# Altium PCB PCB-Tester-Board-V1.PcbDoc (part 1 of 3) (continued)
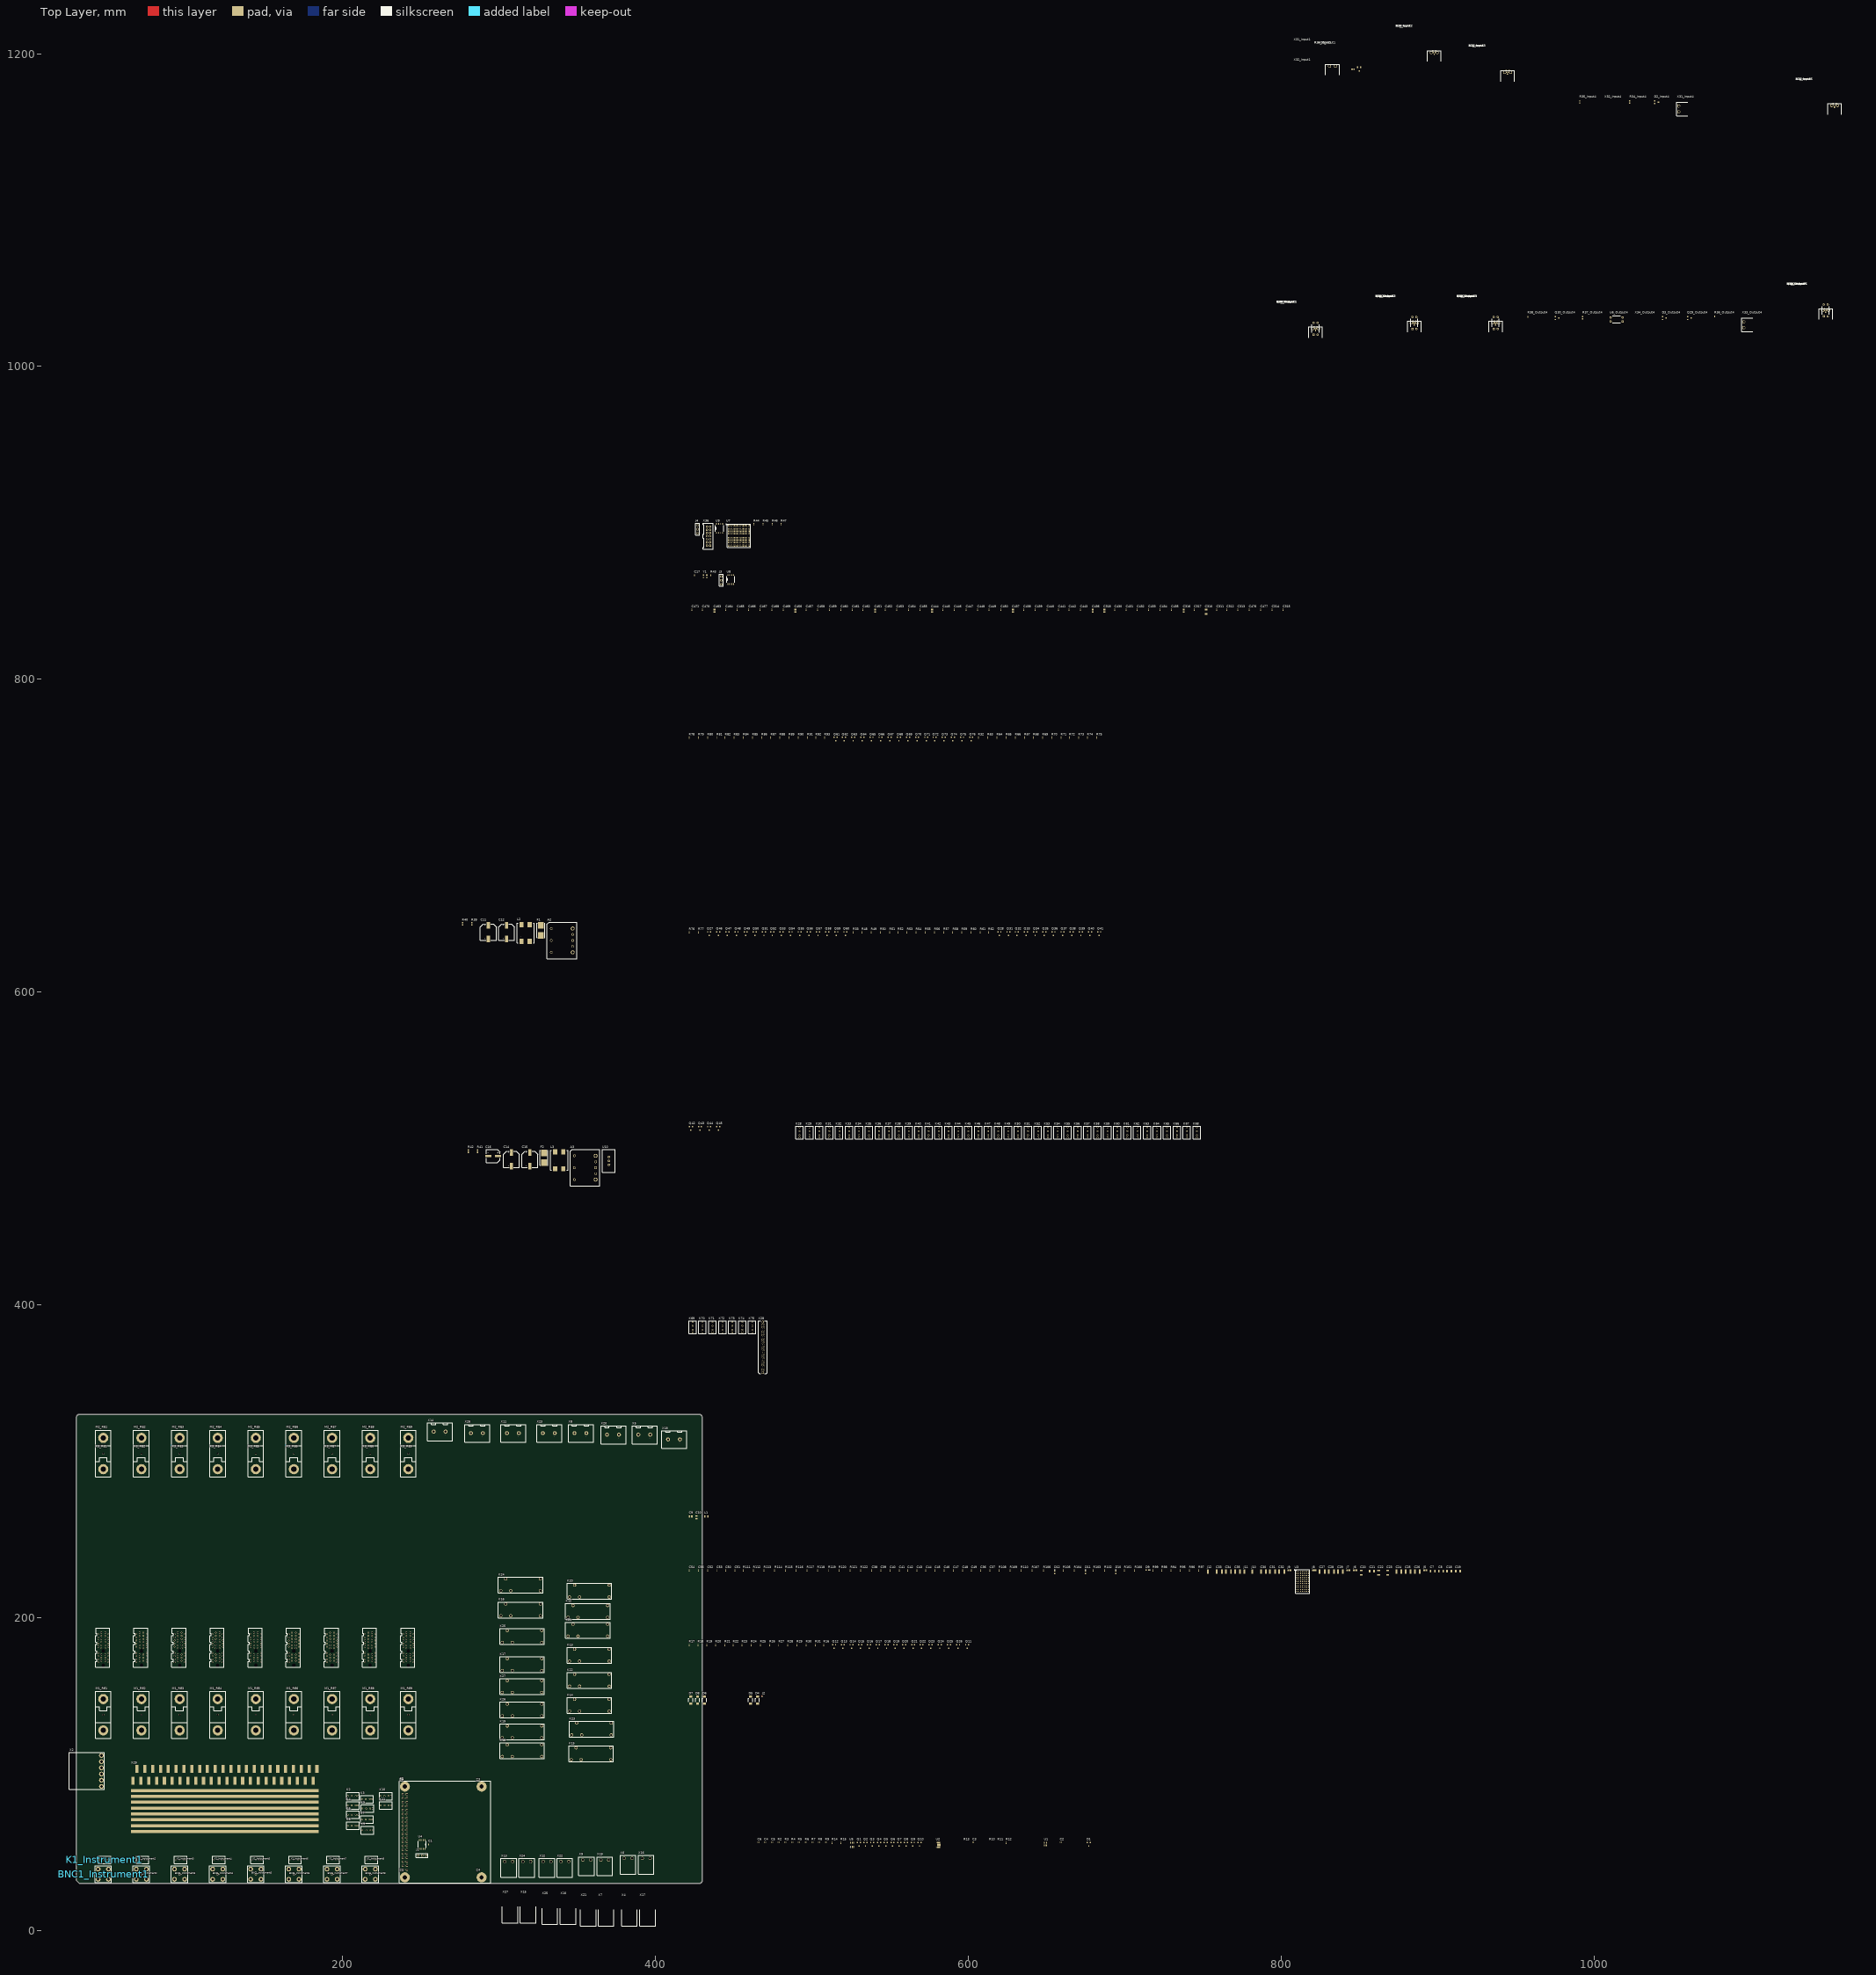
[diagram p0: Top Layer view]
## Components (designator, comment, footprint, x,y, rotation, side; value= is the part's Value field where it differs from the comment)
A1 "A" RPI4B 240,63 r270 top locked
A2 "A" I3A-POSETIVE 340.433,633.016 r0 top
A3 "A" I3A-POSETIVE 355.11,487.701 r0 top
BNC1_Instrument1 "X" BNC 47.188,36 r180 top (schematic designator BNC1)
BNC1_Instrument2 "X" BNC 71.563,36 r180 top (schematic designator BNC1)
BNC1_Instrument3 "X" BNC 95.938,36 r180 top (schematic designator BNC1)
BNC1_Instrument4 "X" BNC 120.313,36 r180 top (schematic designator BNC1)
BNC1_Instrument5 "X" BNC 144.688,36 r180 top (schematic designator BNC1)
BNC1_Instrument6 "X" BNC 169.063,36 r180 top (schematic designator BNC1)
BNC1_Instrument7 "X" BNC 193.438,36 r180 top (schematic designator BNC1)
BNC1_Instrument8 "X" BNC 217.813,36 r180 top (schematic designator BNC1)
C1 "C" "C0402 Reflow" 255,55 r90 top value=100nF
C2 "C" "C0402 Reflow" 659.378,56.42 r0 top value=100nF
C3 "C" "C0402 Reflow" 603.244,56.42 r0 top value=2.2nF
C4 "C" "C0402 Reflow" 470.275,56.42 r0 top value=100nF
C5 "C" "C0402 Reflow" 474.593,56.42 r0 top value=100nF
C6 "C" "C0402 Reflow" 465.957,56.42 r0 top value=1uF
C7 "C" "C1206 Reflow" 897.001,229.87 r0 top value=10uF
C8 "C" "C1206 Reflow" 902.335,229.87 r0 top value=10uF
C9 "C" "C0805 Reflow" 422.656,264.795 r0 top value=10uF
C10 "C" "C0805 Reflow" 426.466,264.16 r90 top value=10uF
C11 "C+" SMD-CAP-ALU-G 293.316,638.35 r90 top value=330uF
C12 "C+" SMD-CAP-ALU-G 305,638.35 r90 top value=100uF
C14 "C+" SMD-CAP-ALU-G 308.12,493.035 r90 top value=330uF
C15 "C+" SMD-CAP-ALU-G 319.804,493.035 r90 top value=100uF
C16 "C+" SMD-CAP-ALU-E 296.436,495.194 r0 top value=220µF
C17 "C" "C0402 Reflow" 425.092,866.46 r90 top value=100nF
C18 "C" "C1206 Reflow" 907.542,229.87 r0 top value=10uF
C19 "C" "C1206 Reflow" 913.13,229.87 r0 top value=10uF
C20 "C" "C1206 Reflow" 851.281,228.854 r90 top value=10uF
C21 "C" "C1206 Reflow" 858.139,229.87 r0 top value=10uF
C22 "C" "C1206 Reflow" 862.457,228.854 r90 top value=10uF
C23 "C" "C1206 Reflow" 868.299,228.854 r90 top value=10uF
C24 "C" "C1210 Reflow" 875.411,229.489 r0 top value=47uF
C25 "C" "C1210 Reflow" 881.253,229.489 r0 top value=47uF
C26 "C" "C1210 Reflow" 887.222,229.489 r0 top value=47uF
C27 "C" "C1210 Reflow" 826.389,229.489 r0 top value=47uF
C28 "C" "C1210 Reflow" 832.231,229.489 r0 top value=47uF
C29 "C" "C1210 Reflow" 838.073,229.489 r0 top value=47uF
C30 "C" "C1210 Reflow" 788.797,229.489 r0 top value=47uF
C31 "C" "C1210 Reflow" 794.639,229.489 r0 top value=47uF
C32 "C" "C1210 Reflow" 800.481,229.489 r0 top value=47uF
C33 "C" "C1210 Reflow" 760.603,229.489 r0 top value=47uF
C34 "C" "C1210 Reflow" 766.445,229.489 r0 top value=47uF
C35 "C" "C1210 Reflow" 772.287,229.489 r0 top value=47uF
C36 "C" "C0402 Reflow" 608.076,230.124 r90 top value=100pF
C37 "C" "C0402 Reflow" 613.918,230.124 r90 top value=100pF
C38 "C" "C0402 Reflow" 538.48,230.124 r90 top value=100nF
C39 "C" "C0402 Reflow" 544.322,230.124 r90 top value=1nF
C40 "C" "C0402 Reflow" 550.164,230.124 r90 top value=100pF
C41 "C" "C0402 Reflow" 556.006,230.124 r90 top value=100nF
C42 "C" "C0402 Reflow" 561.34,230.124 r90 top value=1nF
C43 "C" "C0402 Reflow" 567.182,230.124 r90 top value=100pF
C44 "C" "C0402 Reflow" 573.024,230.124 r90 top value=100nF
C45 "C" "C0402 Reflow" 578.866,230.124 r90 top value=1nF
C46 "C" "C0402 Reflow" 584.708,230.124 r90 top value=100pF
C47 "C" "C0402 Reflow" 590.55,230.124 r90 top value=100nF
C48 "C" "C0402 Reflow" 596.392,230.124 r90 top value=1nF
C49 "C" "C0402 Reflow" 602.234,230.124 r90 top value=100pF
C50 "C" "C0402 Reflow" 445.135,230.124 r90 top value=100pF
C51 "C" "C0402 Reflow" 450.977,230.124 r90 top value=100pF
C52 "C" "C0402 Reflow" 433.451,230.124 r90 top value=100pF
C53 "C" "C0402 Reflow" 439.293,230.124 r90 top value=100pF
C54 "C" "C0402 Reflow" 421.767,230.124 r90 top value=100pF
C55 "C" "C0402 Reflow" 427.609,230.124 r90 top value=100pF
C310 "C" "C1206 Reflow" 752.187,843.13 r90 top value=47uF
C311 "C" "C0402 RevOne" 758.791,844.4 r90 top value=4u7F
C312 "C" "C0402 RevOne" 765.395,844.4 r90 top value=4u7F
C313 "C" "C0402 RevOne" 772.507,844.4 r90 top value=4u7F
C314 "C" "C0402 RevOne" 794.351,844.4 r90 top value=470nF
C315 "C" "C0402 RevOne" 801.463,844.4 r90 top value=470nF
C316 "C" "C0805 Reflow" 737.836,843.765 r90 top value=47uF
C317 "C" "C0402 RevOne" 744.567,844.4 r90 top value=470nF
C318 "C" "C0805 Reflow" 687.036,843.765 r90 top value=47uF
C430 "C" "C0402 RevOne" 693.767,844.4 r90 top value=4u7F
C431 "C" "C0402 RevOne" 701.133,844.4 r90 top value=4u7F
C432 "C" "C0402 RevOne" 707.991,844.4 r90 top value=470nF
C433 "C" "C0402 RevOne" 715.357,844.4 r90 top value=470nF
C434 "C" "C0402 RevOne" 722.723,844.4 r90 top value=470nF
C435 "C" "C0402 RevOne" 730.089,844.4 r90 top value=470nF
C436 "C" "C0805 Reflow" 679.67,843.765 r90 top value=47uF
C437 "C" "C0805 Reflow" 628.616,843.765 r90 top value=47uF
C438 "C" "C0402 RevOne" 635.601,844.4 r90 top value=4u7F
C439 "C" "C0402 RevOne" 642.967,844.4 r90 top value=4u7F
C440 "C" "C0402 RevOne" 650.333,844.4 r90 top value=470nF
C441 "C" "C0402 RevOne" 657.699,844.4 r90 top value=470nF
C442 "C" "C0402 RevOne" 664.557,844.4 r90 top value=470nF
C443 "C" "C0402 RevOne" 671.923,844.4 r90 top value=470nF
C444 "C" "C0805 Reflow" 576.927,843.765 r90 top value=47uF
C445 "C" "C0402 RevOne" 583.912,844.4 r90 top value=4u7F
C446 "C" "C0402 RevOne" 591.278,844.4 r90 top value=4u7F
C447 "C" "C0402 RevOne" 598.644,844.4 r90 top value=470nF
C448 "C" "C0402 RevOne" 606.01,844.4 r90 top value=470nF
C449 "C" "C0402 RevOne" 613.503,844.4 r90 top value=470nF
C450 "C" "C0402 RevOne" 620.869,844.4 r90 top value=470nF
C451 "C" "C0805 Reflow" 540.605,843.765 r90 top value=47uF
C452 "C" "C0402 RevOne" 547.082,844.4 r90 top value=4u7F
C453 "C" "C0402 RevOne" 554.448,844.4 r90 top value=4u7F
C454 "C" "C0402 RevOne" 561.814,844.4 r90 top value=470nF
C455 "C" "C0402 RevOne" 569.18,844.4 r90 top value=470nF
C456 "C" "C0805 Reflow" 489.551,843.765 r90 top value=47uF
C457 "C" "C0402 RevOne" 496.536,844.4 r90 top value=4u7F
C458 "C" "C0402 RevOne" 503.902,844.4 r90 top value=4u7F
C459 "C" "C0402 RevOne" 511.268,844.4 r90 top value=470nF
C460 "C" "C0402 RevOne" 518.634,844.4 r90 top value=470nF
C461 "C" "C0402 RevOne" 526,844.4 r90 top value=470nF
C462 "C" "C0402 RevOne" 532.858,844.4 r90 top value=470nF
C463 "C" "C0805 Reflow" 437.989,843.765 r90 top value=47uF
C464 "C" "C0402 RevOne" 444.974,844.4 r90 top value=4u7F
C465 "C" "C0402 RevOne" 452.34,844.4 r90 top value=4u7F
C466 "C" "C0402 RevOne" 459.706,844.4 r90 top value=470nF
C467 "C" "C0402 RevOne" 467.072,844.4 r90 top value=470nF
C468 "C" "C0402 RevOne" 474.438,844.4 r90 top value=470nF
C469 "C" "C0402 RevOne" 481.804,844.4 r90 top value=470nF
C470 "C" "C0402 RevOne" 430.242,844.4 r90 top value=4u7F
C471 "C" "C0402 RevOne" 423.384,844.4 r90 top value=4u7F
C476 "C" "C0402 RevOne" 779.619,844.4 r90 top value=4u7F
C477 "C" "C0402 RevOne" 786.985,844.4 r90 top value=4u7F
D1 "D" SOT23-3 677.158,55.15 r0 top
D2_Input1 "D" SOT23-3 850,1190.15 r0 top (schematic designator D2)
D2_Input2 "D" SOT23-3 898.018,1200.699 r0 top (schematic designator D2)
D2_Input3 "D" SOT23-3 944.905,1188 r0 top (schematic designator D2)
D2_Input4 "D" SOT23-3 1040.15,1168.95 r90 top (schematic designator D2)
D2_Input5 "D" SOT23-3 1153.95,1166.85 r0 top (schematic designator D2)
D3_Output1 "D" SOT23-3 822.133,1024.132 r0 top (schematic designator D3)
D3_Output2 "D" SOT23-3 885.27,1027.81 r0 top (schematic designator D3)
D3_Output3 "D" SOT23-3 937.27,1027.81 r0 top (schematic designator D3)
D3_Output4 "D" SOT23-3 1045.148,1030.95 r90 top (schematic designator D3)
D3_Output5 "D" SOT23-3 1148.27,1035.81 r0 top (schematic designator D3)
D4 "D" SOD128 465.328,147.32 r90 top
D5 "D" SOD128 461.01,147.32 r90 top
D6 "D" SOD128 431.419,147.32 r90 top
D7 "D" SOD128 422.783,147.32 r90 top
D8 "D" SOD128 427.101,147.32 r90 top
D9 "D" L0603G 714.629,230.378 r0 top
D10 "D" L0603G 694.436,229.108 r90 top
D11 "D" L0603G 675.132,229.108 r90 top
D12 "D" L0603G 655.32,229.108 r90 top
F1 "F" OMNI-Fuse 326.844,639.366 r90 top value=2.5A
F2 "F" OMNI-Fuse 328.948,494.051 r90 top value=3A
J1 "J" "Header 100mil 3x1" 251,48 r180 top
J2 "J" NT0201 468.376,149.733 r90 top net-tie
J3 "J" "Header 100mil 3x1" 442.237,863.285 r90 top
J4 "J" "Header 100mil 3x1" 427.088,895.954 r90 top
J5 "J" JumperSMD 892.175,230.251 r0 top value=0R
J6 "J" JumperSMD 847.471,230.251 r0 top value=0R
J7 "J" JumperSMD 843.153,230.251 r0 top value=0R
J8 "J" JumperSMD 821.309,230.251 r0 top value=0R
J9 "J" JumperSMD 805.434,230.251 r0 top value=0R
J10 "J" JumperSMD 781.685,229.489 r90 top value=0R
J11 "J" JumperSMD 776.605,229.489 r90 top value=0R
J12 "J" JumperSMD 753.364,229.489 r90 top value=0R
K1_Instrument1 "K" 118-1A 47.95,45.271 r180 top (schematic designator K1)
K1_Instrument2 "K" 118-1A 72.325,45.271 r180 top (schematic designator K1)
K1_Instrument3 "K" 118-1A 96.7,45.271 r180 top (schematic designator K1)
K1_Instrument4 "K" 118-1A 121.075,45.271 r180 top (schematic designator K1)
K1_Instrument5 "K" 118-1A 145.45,45.271 r180 top (schematic designator K1)
K1_Instrument6 "K" 118-1A 169.825,45.271 r180 top (schematic designator K1)
K1_Instrument7 "K" 118-1A 194.2,45.271 r180 top (schematic designator K1)
K1_Instrument8 "K" 118-1A 218.575,45.271 r180 top (schematic designator K1)
K2 "K" 118-1A 206.762,86 r180 top
K3 "K" 118-1A 215.762,84 r180 top
K4 "K" 118-1A 206.762,80 r180 top
K5 "K" 118-1A 216,78 r180 top
K6 "K" 118-1A 206.762,74 r180 top
K7 "K" 118-1A 215.762,71 r180 top
K8 "K" 118-1A 206.762,67 r180 top
K9 "K" 118-1A 216.035,64.104 r180 top
K10 "K" 118-1A 227.762,86 r180 top
K11 "K" 118-1A 227.762,80 r180 top
K12 "K" HF118F005-1ZS1 357,204 r180 top
K13 "K" HF118F005-1ZS1 358,176 r180 top
K14 "K" HF118F005-1ZS1 358,144 r180 top
K15 "K" HF118F005-1ZS1 359,113 r180 top
K16 "K" HF118F005-1ZS1 314,205 r180 top
K17 "K" HF118F005-1ZS1 315,170 r180 top
K18 "K" HF118F005-1ZS1 315,115 r180 top
K19 "K" HF118F005-1ZS1 315,127 r180 top
K20 "K" HF118F005-1ZS1 358,217 r180 top
K21 "K" HF118F005-1ZS1 357,192 r180 top
K22 "K" HF118F005-1ZS1 358,160 r180 top
K23 "K" HF118F005-1ZS1 359.35,128.81 r180 top
K24 "K" HF118F005-1ZS1 314,221 r180 top
K25 "K" HF118F005-1ZS1 315,188 r180 top
K26 "K" HF118F005-1ZS1 315,141 r180 top
K27 "K" HF118F005-1ZS1 315,156 r180 top
K28 "K" 118-1A 492.252,510.286 r90 top
K29 "K" 118-1A 498.602,510.286 r90 top
K30 "K" 118-1A 504.952,510.286 r90 top
K31 "K" 118-1A 511.302,510.286 r90 top
K32 "K" 118-1A 517.652,510.286 r90 top
K33 "K" 118-1A 524.002,510.286 r90 top
K34 "K" 118-1A 530.352,510.286 r90 top
K35 "K" 118-1A 536.702,510.286 r90 top
K36 "K" 118-1A 543.052,510.286 r90 top
K37 "K" 118-1A 549.402,510.286 r90 top
K38 "K" 118-1A 555.752,510.286 r90 top
K39 "K" 118-1A 562.102,510.286 r90 top
K40 "K" 118-1A 568.452,510.286 r90 top
K41 "K" 118-1A 574.802,510.286 r90 top
K42 "K" 118-1A 581.152,510.286 r90 top
K43 "K" 118-1A 587.502,510.286 r90 top
K44 "K" 118-1A 593.852,510.286 r90 top
K45 "K" 118-1A 600.202,510.286 r90 top
K46 "K" 118-1A 606.552,510.286 r90 top
K47 "K" 118-1A 612.902,510.286 r90 top
K48 "K" 118-1A 619.252,510.286 r90 top
K49 "K" 118-1A 625.602,510.286 r90 top
K50 "K" 118-1A 631.952,510.286 r90 top
K51 "K" 118-1A 638.302,510.286 r90 top
K52 "K" 118-1A 644.652,510.286 r90 top
K53 "K" 118-1A 651.002,510.286 r90 top
K54 "K" 118-1A 657.352,510.286 r90 top
K55 "K" 118-1A 663.702,510.286 r90 top
K56 "K" 118-1A 670.052,510.286 r90 top
K57 "K" 118-1A 676.402,510.286 r90 top
K58 "K" 118-1A 682.752,510.286 r90 top
K59 "K" 118-1A 689.102,510.286 r90 top
K60 "K" 118-1A 695.452,510.286 r90 top
K61 "K" 118-1A 701.802,510.286 r90 top
K62 "K" 118-1A 708.152,510.286 r90 top
K63 "K" 118-1A 714.502,510.286 r90 top
K64 "K" 118-1A 720.852,510.286 r90 top
K65 "K" 118-1A 727.202,510.286 r90 top
K66 "K" 118-1A 733.552,510.286 r90 top
K67 "K" 118-1A 739.902,510.286 r90 top
K68 "K" 118-1A 746.252,510.286 r90 top
K69 "K" 118-1A 423.926,385.826 r90 top
K70 "K" 118-1A 430.276,385.826 r90 top
K71 "K" 118-1A 436.626,385.826 r90 top
K72 "K" 118-1A 442.976,385.826 r90 top
K73 "K" 118-1A 449.326,385.826 r90 top
K74 "K" 118-1A 455.676,385.826 r90 top
K75 "K" 118-1A 462.026,385.826 r90 top
L1 "L" FB0805 432.689,264.795 r0 top
L2 "L" ACM1211 317.192,637.715 r90 top
L3 "L" ACM1211 338.6,492.4 r90 top
M1_RE1 "PCB Tester Support" "PCB Tester Support" 47.188,137.956 r90 top (schematic designator M1)
M1_RE2 "PCB Tester Support" "PCB Tester Support" 71.563,137.956 r90 top (schematic designator M1)
M1_RE3 "PCB Tester Support" "PCB Tester Support" 96,137.956 r90 top (schematic designator M1)
M1_RE4 "PCB Tester Support" "PCB Tester Support" 120.313,137.956 r90 top (schematic designator M1)
M1_RE5 "PCB Tester Support" "PCB Tester Support" 144.688,137.956 r90 top (schematic designator M1)
M1_RE6 "PCB Tester Support" "PCB Tester Support" 169,137.956 r90 top (schematic designator M1)
M1_RE7 "PCB Tester Support" "PCB Tester Support" 193.438,137.956 r90 top (schematic designator M1)
M1_RE8 "PCB Tester Support" "PCB Tester Support" 217.813,137.956 r90 top (schematic designator M1)
M1_RE9 "PCB Tester Support" "PCB Tester Support" 242.188,137.956 r90 top (schematic designator M1)
M2_RE1 "PCB Tester Support" "PCB Tester Support" 47.188,304.956 r270 top (schematic designator M2)
M2_RE2 "PCB Tester Support" "PCB Tester Support" 71.563,304.956 r270 top (schematic designator M2)
M2_RE3 "PCB Tester Support" "PCB Tester Support" 96,304.956 r270 top (schematic designator M2)
M2_RE4 "PCB Tester Support" "PCB Tester Support" 120.313,304.956 r270 top (schematic designator M2)
M2_RE5 "PCB Tester Support" "PCB Tester Support" 144.688,304.956 r270 top (schematic designator M2)
M2_RE6 "PCB Tester Support" "PCB Tester Support" 169,304.956 r270 top (schematic designator M2)
M2_RE7 "PCB Tester Support" "PCB Tester Support" 193.438,304.956 r270 top (schematic designator M2)
M2_RE8 "PCB Tester Support" "PCB Tester Support" 217.813,304.956 r270 top (schematic designator M2)
M2_RE9 "PCB Tester Support" "PCB Tester Support" 242.188,304.956 r270 top (schematic designator M2)
Q1 "Q" SOT23-3 530.219,55.15 r0 top
Q2 "Q" SOT23-3 534.41,55.15 r0 top
Q3 "Q" SOT23-3 538.728,55.15 r0 top
Q4 "Q" SOT23-3 543.046,55.15 r0 top
Q5 "Q" SOT23-3 547.364,55.15 r0 top
Q6 "Q" SOT23-3 551.682,55.15 r0 top
Q7 "Q" SOT23-3 556,55.15 r0 top
Q8 "Q" SOT23-3 560.318,55.15 r0 top
Q9 "Q" SOT23-3 564.636,55.15 r0 top
Q10 "Q" SOT23-3 568.954,55.15 r0 top
Q11 "Q" SOT23-3 599.44,181.61 r0 top
Q12 "Q" SOT23-3 514.35,181.61 r0 top
Q13 "Q" SOT23-3 519.938,181.61 r0 top
Q14 "Q" SOT23-3 525.526,181.61 r0 top
Q15 "Q" SOT23-3 531.114,181.61 r0 top
Q16 "Q" SOT23-3 536.702,181.61 r0 top
Q17 "Q" SOT23-3 542.29,181.61 r0 top
Q18 "Q" SOT23-3 547.878,181.61 r0 top
Q19 "Q" SOT23-3 553.466,181.61 r0 top
Q20 "Q" SOT23-3 559.054,181.61 r0 top
Q21 "Q" SOT23-3 564.896,181.61 r0 top
Q22 "Q" SOT23-3 570.23,181.61 r0 top
Q23 "Q" SOT23-3 576.072,181.61 r0 top
Q24 "Q" SOT23-3 581.914,181.61 r0 top
Q25 "Q" SOT23-3 587.756,181.61 r0 top
Q26 "Q" SOT23-3 593.598,181.61 r0 top
Q27 "Q" SOT23-3 434.467,637.286 r0 top
Q28 "Q" SOT23-3 620.014,637.286 r0 top
Q29_Output1 "Q" SOT23-3 822.133,1024.132 r0 top (schematic designator Q29)
Q29_Output2 "Q" SOT23-3 885.27,1027.81 r0 top (schematic designator Q29)
Q29_Output3 "Q" SOT23-3 937.27,1027.81 r0 top (schematic designator Q29)
Q29_Output4 "Q" SOT23-3 1061.15,1030.95 r90 top (schematic designator Q29)
Q29_Output5 "Q" SOT23-3 1148.27,1035.81 r0 top (schematic designator Q29)
Q30_Output1 "Q" SOT23-3 822.133,1024.132 r0 top (schematic designator Q30)
Q30_Output2 "Q" SOT23-3 885.27,1027.81 r0 top (schematic designator Q30)
Q30_Output3 "Q" SOT23-3 937.27,1027.81 r0 top (schematic designator Q30)
Q30_Output4 "Q" SOT23-3 976.568,1030.95 r90 top (schematic designator Q30)
Q30_Output5 "Q" SOT23-3 1148.27,1035.81 r0 top (schematic designator Q30)
Q31 "Q" SOT23-3 625.856,637.286 r0 top
Q32 "Q" SOT23-3 631.19,637.286 r0 top
Q33 "Q" SOT23-3 637.032,637.286 r0 top
Q34 "Q" SOT23-3 642.874,637.286 r0 top
Q35 "Q" SOT23-3 648.716,637.286 r0 top
Q36 "Q" SOT23-3 654.558,637.286 r0 top
Q37 "Q" SOT23-3 660.4,637.286 r0 top
Q38 "Q" SOT23-3 666.242,637.286 r0 top
Q39 "Q" SOT23-3 672.084,637.286 r0 top
Q40 "Q" SOT23-3 677.926,637.286 r0 top
Q41 "Q" SOT23-3 683.768,637.286 r0 top
Q42 "Q" SOT23-3 422.783,512.826 r0 top
Q43 "Q" SOT23-3 428.625,512.826 r0 top
Q44 "Q" SOT23-3 434.467,512.826 r0 top
Q45 "Q" SOT23-3 440.309,512.826 r0 top
Q46 "Q" SOT23-3 440.309,637.286 r0 top
Q47 "Q" SOT23-3 446.151,637.286 r0 top
Q48 "Q" SOT23-3 451.993,637.286 r0 top
Q49 "Q" SOT23-3 457.835,637.286 r0 top
Q50 "Q" SOT23-3 463.677,637.286 r0 top
Q51 "Q" SOT23-3 469.519,637.286 r0 top
Q52 "Q" SOT23-3 474.853,637.286 r0 top
Q53 "Q" SOT23-3 480.695,637.286 r0 top
Q54 "Q" SOT23-3 486.537,637.286 r0 top
Q55 "Q" SOT23-3 492.379,637.286 r0 top
Q56 "Q" SOT23-3 498.221,637.286 r0 top
Q57 "Q" SOT23-3 504.063,637.286 r0 top
Q58 "Q" SOT23-3 509.905,637.286 r0 top
Q59 "Q" SOT23-3 515.747,637.286 r0 top
Q60 "Q" SOT23-3 521.589,637.286 r0 top
Q61 "Q" SOT23-3 515.366,761.746 r0 top
Q62 "Q" SOT23-3 520.7,761.746 r0 top
Q63 "Q" SOT23-3 526.542,761.746 r0 top
Q64 "Q" SOT23-3 532.384,761.746 r0 top
Q65 "Q" SOT23-3 538.226,761.746 r0 top
Q66 "Q" SOT23-3 544.068,761.746 r0 top
Q67 "Q" SOT23-3 549.91,761.746 r0 top
Q68 "Q" SOT23-3 555.752,761.746 r0 top
Q69 "Q" SOT23-3 561.594,761.746 r0 top
Q70 "Q" SOT23-3 567.436,761.746 r0 top
Q71 "Q" SOT23-3 573.278,761.746 r0 top
Q72 "Q" SOT23-3 578.612,761.746 r0 top
Q73 "Q" SOT23-3 584.454,761.746 r0 top
Q74 "Q" SOT23-3 590.296,761.746 r0 top
Q75 "Q" SOT23-3 596.138,761.746 r0 top
Q76 "Q" SOT23-3 601.98,761.746 r0 top
Q77_Instrument1 "Q" SOT23-3 49.728,48.453 r180 bottom (schematic designator Q77)
Q77_Instrument2 "Q" SOT23-3 74.103,48.453 r180 bottom (schematic designator Q77)
Q77_Instrument3 "Q" SOT23-3 98.478,48.453 r180 bottom (schematic designator Q77)
Q77_Instrument4 "Q" SOT23-3 122.853,48.453 r180 bottom (schematic designator Q77)
Q77_Instrument5 "Q" SOT23-3 147.228,48.453 r180 bottom (schematic designator Q77)
Q77_Instrument6 "Q" SOT23-3 171.603,48.453 r180 bottom (schematic designator Q77)
Q77_Instrument7 "Q" SOT23-3 195.978,48.453 r180 bottom (schematic designator Q77)
Q77_Instrument8 "Q" SOT23-3 220.353,48.453 r180 bottom (schematic designator Q77)
R1_Instrument1 "R" "R0402 Reflow" 49.728,50.986 r180 bottom value=4K7 (schematic designator R1)
R1_Instrument2 "R" "R0402 Reflow" 74.103,50.986 r180 bottom value=4K7 (schematic designator R1)
R1_Instrument3 "R" "R0402 Reflow" 98.478,50.986 r180 bottom value=4K7 (schematic designator R1)
R1_Instrument4 "R" "R0402 Reflow" 122.853,50.986 r180 bottom value=4K7 (schematic designator R1)
R1_Instrument5 "R" "R0402 Reflow" 147.228,50.986 r180 bottom value=4K7 (schematic designator R1)
R1_Instrument6 "R" "R0402 Reflow" 171.603,50.986 r180 bottom value=4K7 (schematic designator R1)
R1_Instrument7 "R" "R0402 Reflow" 195.978,50.986 r180 bottom value=4K7 (schematic designator R1)
R1_Instrument8 "R" "R0402 Reflow" 220.353,50.986 r180 bottom value=4K7 (schematic designator R1)
R2 "R" "R0402 Reflow" 478.911,56.42 r0 top value=4K7
R3 "R" "R0402 Reflow" 483.229,56.42 r0 top value=4K7
R4 "R" "R0402 Reflow" 487.547,56.42 r0 top value=4K7
R5 "R" "R0402 Reflow" 491.865,56.42 r0 top value=4K7
R6 "R" "R0402 Reflow" 496.183,56.42 r0 top value=4K7
R7 "R" "R0402 Reflow" 500.501,56.42 r0 top value=4K7
R8 "R" "R0402 Reflow" 504.819,56.42 r0 top value=4K7
R9 "R" "R0402 Reflow" 509.137,56.42 r0 top value=4K7
R10 "R" "R0201 Reflow" 613.404,56.293 r90 top value=1K
R11 "R" "R0201 Reflow" 618.992,56.293 r90 top value=1K
R12 "R" "R0402 Reflow" 624.199,56.039 r90 top value=15
R13 "R" "R0201 Reflow" 597.148,56.293 r90 top value=1K
R14 "R" "R0402 Reflow" 513.074,56.039 r90 top value=4K7
R15 "R" "R0402 Reflow" 518.662,56.039 r90 top value=4K7
R16 "R" "R0402 Reflow" 507.619,182.499 r90 top value=4K7
R17 "R" "R0402 Reflow" 421.767,182.499 r90 top value=4K7
R18 "R" "R0402 Reflow" 427.355,182.499 r90 top value=4K7
R19 "R" "R0402 Reflow" 432.943,182.499 r90 top value=4K7
R20 "R" "R0402 Reflow" 438.531,182.499 r90 top value=4K7
R21 "R" "R0402 Reflow" 444.373,182.499 r90 top value=4K7
R22 "R" "R0402 Reflow" 449.707,182.499 r90 top value=4K7
R23 "R" "R0402 Reflow" 455.549,182.499 r90 top value=4K7
R24 "R" "R0402 Reflow" 461.391,182.499 r90 top value=4K7
R25 "R" "R0402 Reflow" 467.233,182.499 r90 top value=4K7
R26 "R" "R0402 Reflow" 473.075,182.499 r90 top value=4K7
R27 "R" "R0402 Reflow" 478.917,182.499 r90 top value=4K7
R28 "R" "R0402 Reflow" 484.759,182.499 r90 top value=4K7
R29 "R" "R0402 Reflow" 490.601,182.499 r90 top value=4K7
R30 "R" "R0402 Reflow" 496.443,182.499 r90 top value=4K7
R31 "R" "R0402 Reflow" 502.285,182.499 r90 top value=4K7
R32 "R" "R0402 Reflow" 606.679,762.635 r90 top value=4K7
R33 "R" "R0402 Reflow" 526.415,638.175 r90 top value=4K7
R34_Input1 "R" "R0603 Reflow" 846.133,1190.132 r0 top value=10K2 (schematic designator R34)
R34_Input2 "R" "R0603 Reflow" 898.018,1200.699 r0 top value=10K2 (schematic designator R34)
R34_Input3 "R" "R0603 Reflow" 944.905,1188 r0 top value=10K2 (schematic designator R34)
R34_Input4 "R" "R0603 Reflow" 1023.005,1169.204 r90 top value=10K2 (schematic designator R34)
R34_Input5 "R" "R0603 Reflow" 1153.95,1166.85 r0 top value=10K2 (schematic designator R34)
R35_Input1 "R" "R0603 Reflow" 846.133,1190.132 r0 top value=10K2 (schematic designator R35)
R35_Input2 "R" "R0603 Reflow" 898.018,1200.699 r0 top value=10K2 (schematic designator R35)
R35_Input3 "R" "R0603 Reflow" 944.905,1188 r0 top value=10K2 (schematic designator R35)
R35_Input4 "R" "R0603 Reflow" 991.001,1169.204 r90 top value=10K2 (schematic designator R35)
R35_Input5 "R" "R0603 Reflow" 1153.95,1166.85 r0 top value=10K2 (schematic designator R35)
R36_Output1 "R" "R0201 Reflow" 822.133,1024.132 r0 top value=20K (schematic designator R36)
R36_Output2 "R" "R0201 Reflow" 885.27,1027.81 r0 top value=20K (schematic designator R36)
R36_Output3 "R" "R0201 Reflow" 937.27,1027.81 r0 top value=20K (schematic designator R36)
R36_Output4 "R" "R0201 Reflow" 1077.279,1031.966 r90 top value=20K (schematic designator R36)
R36_Output5 "R" "R0201 Reflow" 1148.27,1035.81 r0 top value=20K (schematic designator R36)
R37_Output1 "R" "R0603 Reflow" 822.133,1024.132 r0 top value=56K (schematic designator R37)
R37_Output2 "R" "R0603 Reflow" 885.27,1027.81 r0 top value=56K (schematic designator R37)
R37_Output3 "R" "R0603 Reflow" 937.27,1027.81 r0 top value=56K (schematic designator R37)
R37_Output4 "R" "R0603 Reflow" 992.951,1031.204 r90 top value=56K (schematic designator R37)
R37_Output5 "R" "R0603 Reflow" 1148.27,1035.81 r0 top value=56K (schematic designator R37)
R38_Output1 "R" "R0402 Reflow" 822.133,1024.132 r0 top value=4K7 (schematic designator R38)
R38_Output2 "R" "R0402 Reflow" 885.27,1027.81 r0 top value=4K7 (schematic designator R38)
R38_Output3 "R" "R0402 Reflow" 937.27,1027.81 r0 top value=4K7 (schematic designator R38)
R38_Output4 "R" "R0402 Reflow" 957.772,1031.712 r90 top value=4K7 (schematic designator R38)
R38_Output5 "R" "R0402 Reflow" 1148.27,1035.81 r0 top value=4K7 (schematic designator R38)
R39 "R" "R0603 Reflow" 282.775,643.557 r90 top value=1K8
R40 "R" "R0603 Reflow" 276.933,643.557 r90 top value=16R2
R41 "R" "R0603 Reflow" 286.403,498.242 r90 top value=8K56
R42 "R" "R0603 Reflow" 280.561,498.242 r90 top value=16
R43 "R" "R0402 Reflow" 435.379,866.46 r90 top value=33
R44 "R" "R0402 Reflow" 463.029,899.129 r90 top value=4K7
R45 "R" "R0402 Reflow" 468.871,899.129 r90 top value=330
R46 "R" "R0402 Reflow" 474.713,899.129 r90 top value=4K7
R47 "R" "R0402 Reflow" 480.555,899.129 r90 top value=2K4
R48 "R" "R0402 Reflow" 532.257,638.175 r90 top value=4K7
R49 "R" "R0402 Reflow" 538.099,638.175 r90 top value=4K7
R50 "R" "R0402 Reflow" 543.941,638.175 r90 top value=4K7
R51 "R" "R0402 Reflow" 549.783,638.175 r90 top value=4K7
R52 "R" "R0402 Reflow" 555.117,638.175 r90 top value=4K7
R53 "R" "R0402 Reflow" 560.959,638.175 r90 top value=4K7
R54 "R" "R0402 Reflow" 566.801,638.175 r90 top value=4K7
R55 "R" "R0402 Reflow" 572.643,638.175 r90 top value=4K7
R56 "R" "R0402 Reflow" 578.485,638.175 r90 top value=4K7
R57 "R" "R0402 Reflow" 584.327,638.175 r90 top value=4K7
R58 "R" "R0402 Reflow" 590.169,638.175 r90 top value=4K7
R59 "R" "R0402 Reflow" 596.011,638.175 r90 top value=4K7
R60 "R" "R0402 Reflow" 601.853,638.175 r90 top value=4K7
R61 "R" "R0402 Reflow" 607.695,638.175 r90 top value=4K7
R62 "R" "R0402 Reflow" 613.029,638.175 r90 top value=4K7
R63 "R" "R0402 Reflow" 612.521,762.635 r90 top value=4K7
R64 "R" "R0402 Reflow" 618.363,762.635 r90 top value=4K7
R65 "R" "R0402 Reflow" 624.205,762.635 r90 top value=4K7
R66 "R" "R0402 Reflow" 630.174,762.635 r90 top value=4K7
R67 "R" "R0402 Reflow" 636.016,762.635 r90 top value=4K7
R68 "R" "R0402 Reflow" 641.858,762.635 r90 top value=4K7
R69 "R" "R0402 Reflow" 647.7,762.635 r90 top value=4K7
R70 "R" "R0402 Reflow" 653.542,762.635 r90 top value=4K7
R71 "R" "R0402 Reflow" 659.384,762.635 r90 top value=4K7
R72 "R" "R0402 Reflow" 664.718,762.635 r90 top value=4K7
R73 "R" "R0402 Reflow" 670.56,762.635 r90 top value=4K7
R74 "R" "R0402 Reflow" 676.402,762.635 r90 top value=4K7
R75 "R" "R0402 Reflow" 682.244,762.635 r90 top value=4K7
R76 "R" "R0402 Reflow" 421.767,638.175 r90 top value=4K7
R77 "R" "R0402 Reflow" 427.609,638.175 r90 top value=4K7
R78 "R" "R0402 Reflow" 421.767,762.635 r90 top value=4K7
R79 "R" "R0402 Reflow" 427.609,762.635 r90 top value=4K7
R80 "R" "R0402 Reflow" 433.451,762.635 r90 top value=4K7
R81 "R" "R0402 Reflow" 439.293,762.635 r90 top value=4K7
R82 "R" "R0402 Reflow" 444.627,762.635 r90 top value=4K7
R83 "R" "R0402 Reflow" 450.469,762.635 r90 top value=4K7
R84 "R" "R0402 Reflow" 456.311,762.635 r90 top value=4K7
R85 "R" "R0402 Reflow" 462.153,762.635 r90 top value=4K7
R86 "R" "R0402 Reflow" 467.995,762.635 r90 top value=4K7
R87 "R" "R0402 Reflow" 473.837,762.635 r90 top value=4K7
R88 "R" "R0402 Reflow" 479.679,762.635 r90 top value=4K7
R89 "R" "R0402 Reflow" 485.521,762.635 r90 top value=4K7
R90 "R" "R0402 Reflow" 491.363,762.635 r90 top value=4K7
R91 "R" "R0402 Reflow" 497.205,762.635 r90 top value=4K7
R92 "R" "R0402 Reflow" 502.539,762.635 r90 top value=4K7
R93 "R" "R0402 Reflow" 508.381,762.635 r90 top value=4K7
R94 "R" "R0402 Reflow" 729.742,230.124 r90 top value=10K
R95 "R" "R0402 Reflow" 735.584,230.124 r90 top value=10K
R96 "R" "R0402 Reflow" 741.426,230.124 r90 top value=10K
R97 "R" "R0402 Reflow" 747.268,230.124 r90 top value=10K
R98 "R" "R0402 Reflow" 723.9,230.124 r90 top value=100K
R99 "R" "R0402 Reflow" 718.058,230.124 r90 top value=1K65
R100 "R" "R0402 Reflow" 706.501,230.124 r90 top value=0
R101 "R" "R0402 Reflow" 699.897,230.124 r90 top value=1K65
R102 "R" "R0402 Reflow" 687.197,230.124 r90 top value=0
R103 "R" "R0402 Reflow" 680.085,230.124 r90 top value=1K65
R104 "R" "R0402 Reflow" 667.893,230.124 r90 top value=0
R105 "R" "R0402 Reflow" 660.781,230.124 r90 top value=1K65
R106 "R" "R0402 Reflow" 648.081,230.124 r90 top value=0
R107 "R" "R0402 Reflow" 640.969,230.124 r90 top value=10K
R108 "R" "R0402 Reflow" 619.76,230.124 r90 top value=10K
R109 "R" "R0402 Reflow" 626.872,230.124 r90 top value=10K
R110 "R" "R0402 Reflow" 633.984,230.124 r90 top value=10K
R111 "R" "R0402 Reflow" 456.311,230.124 r90 top value=10K
R112 "R" "R0402 Reflow" 462.661,230.124 r90 top value=0
R113 "R" "R0402 Reflow" 469.519,230.124 r90 top value=13K3
R114 "R" "R0402 Reflow" 476.377,230.124 r90 top value=10K
R115 "R" "R0402 Reflow" 483.235,230.124 r90 top value=0
R116 "R" "R0402 Reflow" 490.093,230.124 r90 top value=19K1
R117 "R" "R0402 Reflow" 496.951,230.124 r90 top value=10K
R118 "R" "R0402 Reflow" 503.809,230.124 r90 top value=0
R119 "R" "R0402 Reflow" 510.667,230.124 r90 top value=30K1
R120 "R" "R0402 Reflow" 517.525,230.124 r90 top value=10K
R121 "R" "R0402 Reflow" 524.637,230.124 r90 top value=0
R122 "R" "R0402 Reflow" 531.368,230.124 r90 top value=90K9
U1 "U" SC70-5 649.472,55.277 r0 top
U2 "U" TDFN10EP 581.273,54.769 r0 top
U3 "U" LTM4644 813.816,223.139 r0 top
U4 "U" "SOIC8 (R-8)" 251,55 r180 top
U5 "U" TSOT23-6(S6) 525.901,54.769 r0 top
U6_Output1 "U" 4DIP 822.133,1024.132 r0 top (schematic designator U6)
U6_Output2 "U" 4DIP 885.27,1027.81 r0 top (schematic designator U6)
U6_Output3 "U" 4DIP 937.27,1027.81 r0 top (schematic designator U6)
U6_Output4 "U" 4DIP 1014.541,1030.061 r90 top (schematic designator U6)
U6_Output5 "U" 4DIP 1148.27,1035.81 r0 top (schematic designator U6)
U7 "U" XC7A15T-1CSG324C 453.504,891.763 r0 top
U8 "U" "SOIC8 (R-8)" 448.333,863.793 r0 top
U9 "U" "SOIC8 (R-8)" 441.185,896.462 r0 top
U10 "U" "3SIP Traco" 370.35,492.019 r90 top
X1 "X" "RPI4B Footprint" 239.994,63 r270 top locked
X2 "X" B6PS-VH 46,102.02 r270 top
X3_RE1 "X" PCIE-036-02-F-D-TH 47.188,178.778 r90 top (schematic designator X3)
X3_RE2 "X" PCIE-036-02-F-D-TH 71.563,178.778 r90 top (schematic designator X3)
X3_RE3 "X" PCIE-036-02-F-D-TH 96,178.778 r90 top (schematic designator X3)
X3_RE4 "X" PCIE-036-02-F-D-TH 120.313,178.778 r90 top (schematic designator X3)
X3_RE5 "X" PCIE-036-02-F-D-TH 144.688,178.778 r90 top (schematic designator X3)
X3_RE6 "X" PCIE-036-02-F-D-TH 169,178.778 r90 top (schematic designator X3)
X3_RE7 "X" PCIE-036-02-F-D-TH 193.438,178.778 r90 top (schematic designator X3)
X3_RE8 "X" PCIE-036-02-F-D-TH 217.813,178.778 r90 top (schematic designator X3)
X3_RE9 "X" PCIE-036-02-F-D-TH 242.188,178.778 r90 top (schematic designator X3)
X4 "X" 691352710002 383.571,23.166 r0 top
X5 "X" 1731721 393,317 r180 top
X6 "X" 691312710002 382.685,46.102 r0 top
X7 "X" 691352710002 368.637,23.166 r0 top
X8 "X" 1731721 352.195,318 r180 top
X9 "X" 691312710002 356.194,45.102 r0 top
X10 "X" 691352710002 344.273,24.166 r0 top
X11 "X" 1731721 309,318 r180 top
X12 "X" 691312710002 330.83,44.102 r0 top
X13 "X" 691312710002 306.339,44.102 r0 top
X14 "X" 1731721 262.195,319 r180 top
X15 "X" 691352710002 318.782,25.166 r0 top
X16 "X" 691312710002 394.242,46.102 r0 top
X17 "X" 691352710002 395.128,23.166 r0 top
X18 "X" 1731721 412,314 r180 top
X19 "X" 691312710002 367.751,45.102 r0 top
X20 "X" 1731721 373,317 r180 top
X21 "X" 691352710002 357.207,23.166 r0 top
X22 "X" 691312710002 342.26,44.102 r0 top
X23 "X" 1731721 332,318 r180 top
X24 "X" 691312710002 317.896,44.102 r0 top
X25 "X" 691352710002 332.716,24.166 r0 top
X26 "X" 1731721 286,318 r180 top
X27 "X" 691352710002 307.225,25.166 r0 top
X28 "X" TFC-124-01-F-D-LC 468.757,372.872 r90 top
X29 "X" CONFIG48 125,99.5 r0 top
X31_Input1 "X" 691322310002 833,1192 r0 top (schematic designator X31)
X31_Input2 "X" 691322310002 898.018,1200.699 r0 top (schematic designator X31)
X31_Input3 "X" 691322310002 944.905,1188 r0 top (schematic designator X31)
X31_Input4 "X" 691322310002 1054.247,1164.632 r90 top (schematic designator X31)
X31_Input5 "X" 691322310002 1153.95,1166.85 r0 top (schematic designator X31)
X32_Input1 "X" 691361300002 833,1179 r0 top (schematic designator X32)
X32_Input2 "X" 691361300002 898.018,1200.699 r0 top (schematic designator X32)
X32_Input3 "X" 691361300002 944.905,1188 r0 top (schematic designator X32)
X32_Input4 "X" 691361300002 1010.305,1171.617 r0 top (schematic designator X32)
X32_Input5 "X" 691361300002 1153.95,1166.85 r0 top (schematic designator X32)
X33_Output1 "X" 691322310002 822.133,1024.132 r0 top (schematic designator X33)
X33_Output2 "X" 691322310002 885.27,1027.81 r0 top (schematic designator X33)
X33_Output3 "X" 691322310002 937.27,1027.81 r0 top (schematic designator X33)
X33_Output4 "X" 691322310002 1095.821,1026.632 r90 top (schematic designator X33)
X33_Output5 "X" 691322310002 1148.27,1035.81 r0 top (schematic designator X33)
X34_Output1 "X" 691361300002 822.133,1024.132 r0 top (schematic designator X34)
X34_Output2 "X" 691361300002 885.27,1027.81 r0 top (schematic designator X34)
X34_Output3 "X" 691361300002 937.27,1027.81 r0 top (schematic designator X34)
X34_Output4 "X" 691361300002 1029.781,1033.617 r0 top (schematic designator X34)
X34_Output5 "X" 691361300002 1148.27,1035.81 r0 top (schematic designator X34)
X36 "X" LTMM-107-02-F-D 434.073,891.509 r90 top
Y1 "Y" 4SMD 431.95,865.825 r0 top
Z1 "Z" HSM2.5-6.4-16-2 240.049,34 r0 top locked
Z2 "Z" HSM2.5-6.4-16-2 240,92 r0 top locked
Z3 "Z" HSM2.5-6.4-16-2 289,92 r0 top locked
Z4 "Z" HSM2.5-6.4-16-2 288.994,34 r0 top locked

## Footprints (in the part's own frame and the unit in brackets; to place one, negate y for a bottom-side part, rotate by r counter-clockwise, add the part's x,y. Pads: shape width x height; smd on the part's side, far side on the other; paste and mask are expansions set on the pad)
"3SIP Traco" [mm] "Traco (1951-2692-ND)"
  round 1.5 hole 0.8: 1(-2.54,0) 2(0,0) 3(2.54,0)
  silkscreen extent -7.35,-4.13 7.35,4.13, body extent -7,-3.9 7,3.6, height 10.1
4DIP [mm]
  rect 1.4x1.4 hole 0.8 paste+0: 1(-1.27,-3.81)
  round 1.4 hole 0.8 paste+0: 2(1.27,-3.81) 3(1.27,3.81) 4(-1.27,3.81)
  silkscreen extent -2.29,-2.54 2.29,2.54, body extent -2.29,-4.05 2.29,4.05, height 4.45
4SMD [mm]
  rect 0.9x0.65 smd paste+0: 1(-1.05,-0.825) 2(1.05,-0.825) 3(1.05,0.825) 4(-1.05,0.825)
  body extent -1.6,-1.25 1.6,1.25, height 1.2
118-1A [mil] "ATE Relay (NO)"
  round 40 hole 25: 1(-130,0) 2(-70,0) 3(30,0) 4(130,0)
  silkscreen extent -160,-95 160,95, body extent -160,-95 160,94, height 600
1731721 [mm] "TERM BLK 2P SIDE ENT 7.62MM PCB"
  round 2.5 hole 1.3: 1(-3.805,0) 2(3.805,0)
  silkscreen extent -8.3,-5.6 7.7,5.8, body extent -8.21,-5.5 7.6,5.7, height 18.35
691312710002 [mm] "TERM BLOCK HDR 2POS 90DEG 5MM"
  round 2 hole 1.6 paste-2: 1(-2.5,0) 2(2.5,0)
  silkscreen extent -5,-10 5,2, body extent -5,-10 5,2, height 8.5
691322310002 [mm] "TERM BLOCK HDR 2POS 90DEG 3.81MM"
  round 2 hole 1.4 paste+0: 1(-1.905,0) 2(1.905,0)
  silkscreen extent -4.4,-5.71 4.41,1.2, body extent -4.4,-8 4.41,1.2, height 7.2
691352710002 [mm] "TERM BLOCK PLUG 2POS STR 5MM"
  silkscreen extent -5,-20.2 5,-10, body extent -5,-20.2 5,-2, height 15.15
691361300002 [mm] "TERM BLOCK PLUG 2POS STR 3.81MM"
  body extent -3.81,-17 3.81,-1.2, height 7.7
ACM1211 [mm] "ACM1211"
  rect 3.3x2.7 smd: 1(-5.4,2.6) 2(5.4,2.6) 3(-5.4,-2.6) 4(5.4,-2.6)
  silkscreen extent -6.3,-5.6 6.3,5.6, body extent -6.15,-5.5 6.15,5.5, height 6
B6PS-VH [mm] "CONN HEADER R/A 6POS 3.96MM"
  round 3 hole 1.8: 1(-9.9,0) 2(-5.94,0) 3(-1.98,0) 4(1.98,0) 5(5.94,0) 6(9.9,0)
  silkscreen extent -11.88,-20.5 11.88,1.98, body extent -11.85,-14.9 11.85,0.57, height 8.5
BNC [mm] "112778"
  round 3 hole 1.7: 0(-3.275,3.275) 0(-3.275,-3.275) 0(3.275,3.275) 0(3.275,-3.275)
  round 1.5 hole 0.8: 1(0,0)
  silkscreen extent -5.3,-5.3 5.3,5.3, body extent -5.26,-5.25 5.26,22.64, height 11.64
"C0402 Reflow" [mm] "SMT CAP 0402 Reflow Soldering"
  rect 0.55x0.55 smd: 1(-0.4,0) 2(0.4,0)
  body extent -0.5,-0.25 0.5,0.25, height 0.5
"C0402 RevOne" [mm] "Chip Capacitor; Body 1.0x0.5mm (LxW typ), IPC High Density"
  rect 0.55x0.55 smd: 1(-0.4,0) 2(0.4,0)
  body extent -0.55,-0.3 0.55,0.3, height 0.6
"C0805 Reflow" [mm] "SMT Capacitor 0805 Reflow Soldering"
  rect 0.95x1.35 smd: 1(-0.8,0) 2(0.8,0)
  body extent -1,-0.62 1,0.63, height 0.6
"C1206 Reflow" [mm] "SMT Capacitor 1206 Reflow Soldering"
  rect 0.95x1.7 smd: 1(-1.4,0) 2(1.4,0)
  body extent -1.6,-0.8 1.6,0.8, height 0.78
"C1210 Reflow" [mm] "SMT Capacitor 1210 Reflow Soldering"
  rect 1.1x2.6 smd: 1(-1.6,0) 2(1.6,0)
  body extent -1.6,-1.25 1.6,1.25, height 0.78